# Altium PCB CoinCraftA1.PcbDoc (part 6 of 7)
Units mm, origin at the board's own origin, x right, y up, seen from the top; angles counter-clockwise.
Board outline 90.25 x 131.5 mm, 4 copper layers (Top Layer, Mid-Top Layer, Mid-Bottom Layer, Bottom Layer); 807 components, 132 nets, 2141 pads, 3703 vias.
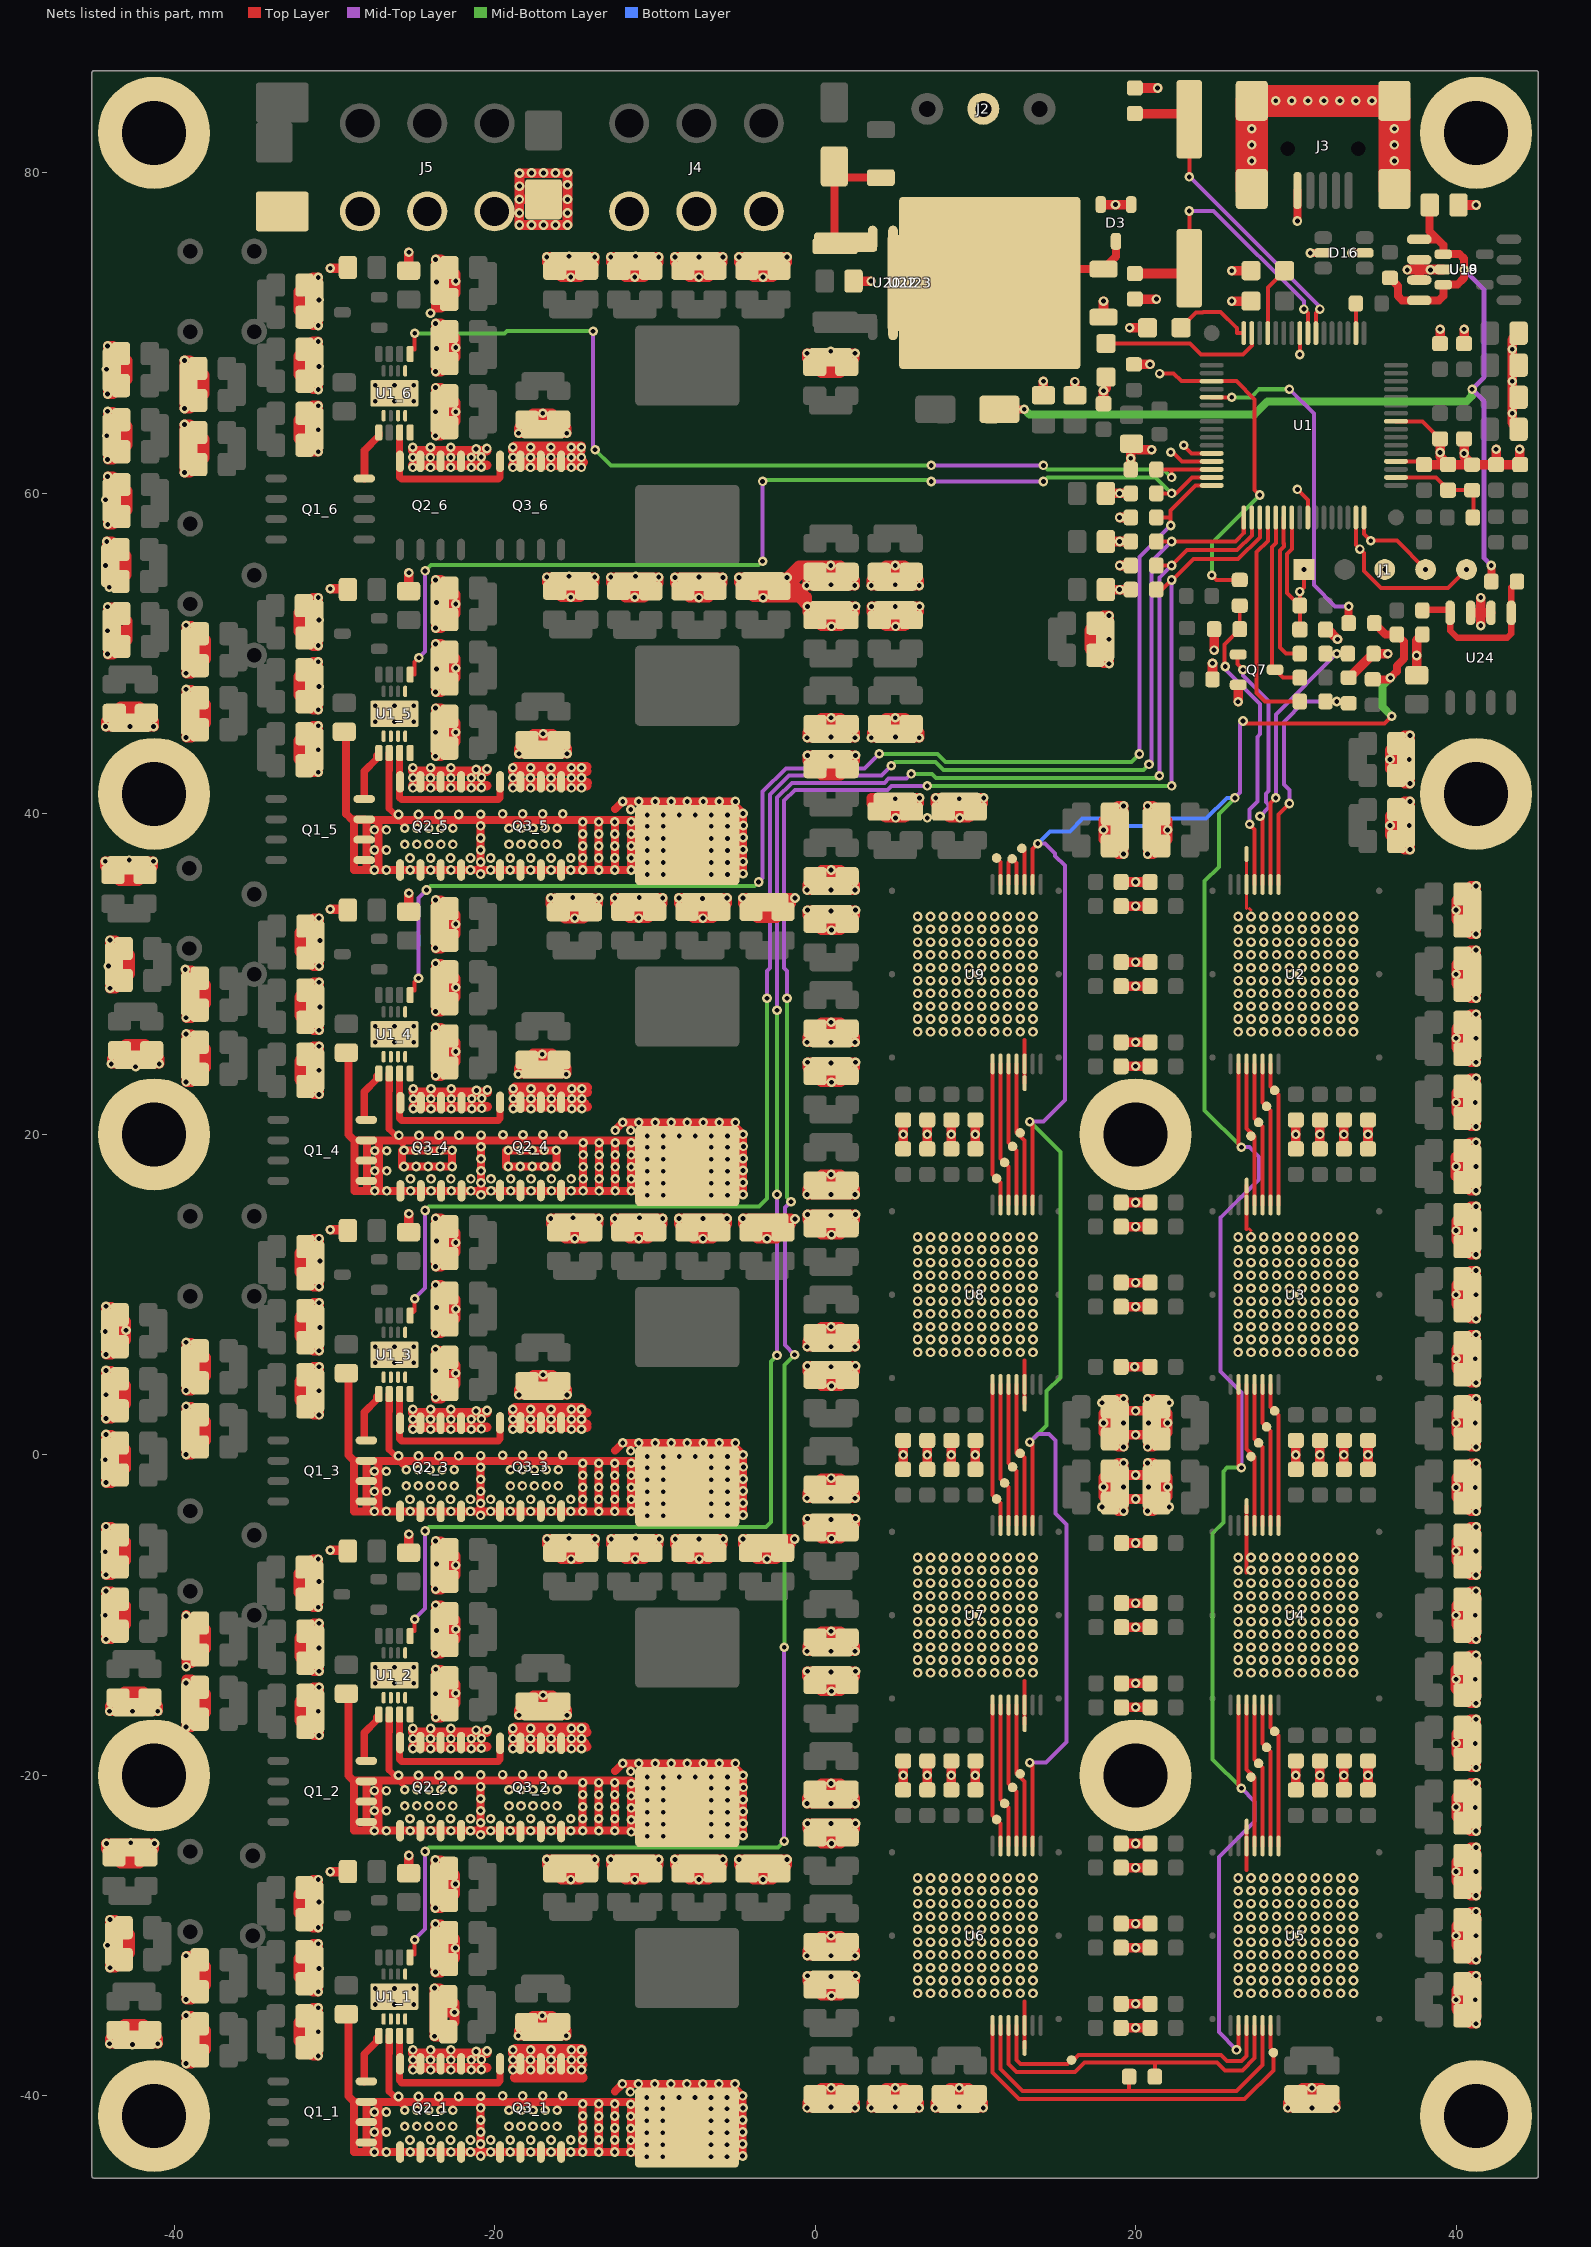
[diagram p8: the nets of this part, all layers, seen from the top]

## Via types
v1: diameter 0.6, hole 0.3, Top Layer to Bottom Layer, tented both sides, 3703 vias

## Nets (pads, with @x,y where several pads share a name; then routed paths per layer and width w, separated by ;. In a path a pad name is that pad's centre, name@x,y a point inside that pad or via, vN(x,y) a via of type N, cw(c..) or ccw(c..) an arc to the next point about the centre after c; other vN are vias at no path point) (continued)
GND: (continued)
  other v1: 31,-40.75 32.5,-40.75 1,-40.7 5,-40.7 8.999,-40.675 -25.1,-38.375 -23.995,-38.375 -22.725,-38.375 -21.45,-38.375 -18.855,-38.375 -17.75,-38.375 -16.48,-38.375 -15.205,-38.375 -14.575,-38.375 -20.825,-38.35 -39.25,-37.975 -25.1,-37.75 -24,-37.75 -22.725,-37.75 -21.45,-37.75 -18.855,-37.75 -17.755,-37.75 -16.48,-37.75 -15.205,-37.75 -14.575,-37.75 -20.825,-37.725 -21.15,-37.225 -20.475,-37.2 -25.1,-37.125 -23.995,-37.125 -22.725,-37.125 -18.855,-37.125 -17.75,-37.125 -16.48,-37.125 -15.205,-37.125 -14.575,-37.125 -42.6,-36.8 -44.025,-36.75 -41.025,-36.75 -23.75,-36.275 -18.525,-36.25 -15.525,-36.25 -31,-36 -17.025,-35 -39.25,-34.975 -22.5,-34.775 -27.45,-34.3 -26.25,-34.3 -25.05,-34.3 41.2,-34 -39.25,-33.975 1.025,-33.75 6.4,-33.6 7.2,-33.6 8,-33.6 8.8,-33.6 9.6,-33.6 10.4,-33.6 11.2,-33.6 12,-33.6 12.8,-33.6 13.6,-33.6 26.4,-33.6 27.2,-33.6 28,-33.6 28.8,-33.6 29.6,-33.6 30.4,-33.6 31.2,-33.6 32,-33.6 32.8,-33.6 33.6,-33.6 -27.45,-33.3 -26.25,-33.3 -25.05,-33.3 -23.75,-33.275 6.4,-32.8 7.2,-32.8 8,-32.8 8.8,-32.8 9.6,-32.8 10.4,-32.8 11.2,-32.8 12,-32.8 12.8,-32.8 13.6,-32.8 26.4,-32.8 27.2,-32.8 28,-32.8 28.8,-32.8 29.6,-32.8 30.4,-32.8 31.2,-32.8 32,-32.8 32.8,-32.8 33.6,-32.8 1,-32.55 -0.475,-32.5 2.525,-32.5 -23.694,-32.275 -30.95,-32.05 6.4,-32 7.2,-32 8,-32 8.8,-32 9.6,-32 10.4,-32 11.2,-32 12,-32 12.8,-32 13.6,-32 26.4,-32 27.2,-32 28,-32 28.8,-32 29.6,-32 30.4,-32 31.2,-32 32,-32 32.8,-32 33.6,-32 1,-31.25 6.4,-31.2 7.2,-31.2 8,-31.2 8.8,-31.2 9.6,-31.2 10.4,-31.2 11.2,-31.2 12,-31.2 12.8,-31.2 13.6,-31.2 26.4,-31.2 27.2,-31.2 28,-31.2 28.8,-31.2 29.6,-31.2 30.4,-31.2 31.2,-31.2 32,-31.2 32.8,-31.2 33.6,-31.2 -22.444,-30.775 -44.15,-30.6 6.4,-30.4 7.2,-30.4 8,-30.4 8.8,-30.4 9.6,-30.4 10.4,-30.4 11.2,-30.4 12,-30.4 12.8,-30.4 13.6,-30.4 26.4,-30.4 27.2,-30.4 28,-30.4 28.8,-30.4 29.6,-30.4 30.4,-30.4 31.2,-30.4 32,-30.4 32.8,-30.4 33.6,-30.4 41.25,-30 6.4,-29.6 7.2,-29.6 8,-29.6 8.8,-29.6 9.6,-29.6 10.4,-29.6 11.2,-29.6 12,-29.6 12.8,-29.6 13.6,-29.6 26.4,-29.6 27.2,-29.6 28,-29.6 28.8,-29.6 29.6,-29.6 30.4,-29.6 31.2,-29.6 32,-29.6 32.8,-29.6 33.6,-29.6 -23.694,-29.275 6.4,-28.8 7.2,-28.8 8,-28.8 8.8,-28.8 9.6,-28.8 10.4,-28.8 11.2,-28.8 12,-28.8 12.8,-28.8 13.6,-28.8 26.4,-28.8 27.2,-28.8 28,-28.8 28.8,-28.8 29.6,-28.8 30.4,-28.8 31.2,-28.8 32,-28.8 32.8,-28.8 33.6,-28.8 -23.694,-28.275 6.4,-28 7.2,-28 8,-28 8.8,-28 9.6,-28 10.4,-28 11.2,-28 12,-28 12.8,-28 13.6,-28 26.4,-28 27.2,-28 28,-28 28.8,-28 29.6,-28 30.4,-28 31.2,-28 32,-28 32.8,-28 33.6,-28 -30.95,-27.9 6.4,-27.2 7.2,-27.2 8,-27.2 8.8,-27.2 9.6,-27.2 10.4,-27.2 11.2,-27.2 12,-27.2 12.8,-27.2 13.6,-27.2 26.4,-27.2 27.2,-27.2 28,-27.2 28.8,-27.2 29.6,-27.2 30.4,-27.2 31.2,-27.2 32,-27.2 32.8,-27.2 33.6,-27.2 -22.444,-26.775 6.4,-26.4 7.2,-26.4 8,-26.4 8.8,-26.4 9.6,-26.4 10.4,-26.4 11.2,-26.4 12,-26.4 12.8,-26.4 13.6,-26.4 26.4,-26.4 27.2,-26.4 28,-26.4 28.8,-26.4 29.6,-26.4 30.4,-26.4 31.2,-26.4 32,-26.4 32.8,-26.4 33.6,-26.4 41.25,-26 -23.694,-25.275 -44.225,-24.25 -41.225,-24.25 1.024,-24.25 -42.7,-24.2 -0.476,-23 1.001,-23 2.524,-23 41.2,-22 0.999,-21.75 10,-20 -25.1,-18.325 -23.995,-18.325 -22.725,-18.325 -21.45,-18.325 -18.855,-18.325 -17.75,-18.325 -16.48,-18.325 -15.205,-18.325 -14.575,-18.325 -20.825,-18.3 41.2,-18 -25.1,-17.7 -24,-17.7 -22.725,-17.7 -21.45,-17.7 -18.855,-17.7 -17.755,-17.7 -16.48,-17.7 -15.205,-17.7 -14.575,-17.7 -20.825,-17.675 -21.15,-17.175 -20.475,-17.15 -25.1,-17.075 -23.995,-17.075 -22.725,-17.075 -18.855,-17.075 -17.75,-17.075 -16.48,-17.075 -15.205,-17.075 -14.575,-17.075 -39.25,-16.975 -23.675,-16.375 -18.475,-16.25 -44.025,-16 -42.6,-16 -41.025,-16 -31,-16 41.25,-15.5 -16.975,-15 -23.679,-14.901 -22.425,-14.875 1.024,-14.75 -27.45,-14.25 -26.25,-14.25 -25.05,-14.25 -39.25,-14.225 40,-14 41.2,-14 6.4,-13.6 7.2,-13.6 8,-13.6 8.8,-13.6 9.6,-13.6 10.4,-13.6 11.2,-13.6 12,-13.6 12.8,-13.6 13.6,-13.6 26.4,-13.6 27.2,-13.6 28,-13.6 28.8,-13.6 29.6,-13.6 30.4,-13.6 31.2,-13.6 32,-13.6 32.8,-13.6 33.6,-13.6 0.999,-13.55 -0.476,-13.5 2.524,-13.5 -23.675,-13.375 -27.45,-13.25 -26.25,-13.25 -25.05,-13.25 -39.25,-13.212 6.4,-12.8 7.2,-12.8 8,-12.8 8.8,-12.8 9.6,-12.8 10.4,-12.8 11.2,-12.8 12,-12.8 12.8,-12.8 13.6,-12.8 26.4,-12.8 27.2,-12.8 28,-12.8 28.8,-12.8 29.6,-12.8 30.4,-12.8 31.2,-12.8 32,-12.8 32.8,-12.8 33.6,-12.8 41.25,-12.5 -23.678,-12.375 1,-12.25 -30.95,-12.05 6.4,-12 7.2,-12 8,-12 8.8,-12 9.6,-12 10.4,-12 11.2,-12 12,-12 12.8,-12 13.6,-12 26.4,-12 27.2,-12 28,-12 28.8,-12 29.6,-12 30.4,-12 31.2,-12 32,-12 32.8,-12 33.6,-12 6.4,-11.2 7.2,-11.2 8,-11.2 8.8,-11.2 9.6,-11.2 10.4,-11.2 11.2,-11.2 12,-11.2 12.8,-11.2 13.6,-11.2 26.4,-11.2 27.2,-11.2 28,-11.2 28.8,-11.2 29.6,-11.2 30.4,-11.2 31.2,-11.2 32,-11.2 32.8,-11.2 33.6,-11.2 -23.628,-10.95 -22.428,-10.875 6.4,-10.4 7.2,-10.4 8,-10.4 8.8,-10.4 9.6,-10.4 10.4,-10.4 11.2,-10.4 12,-10.4 12.8,-10.4 13.6,-10.4 26.4,-10.4 27.2,-10.4 28,-10.4 28.8,-10.4 29.6,-10.4 30.4,-10.4 31.2,-10.4 32,-10.4 32.8,-10.4 33.6,-10.4 -39.25,-10.05 -44.3,-10 41.2,-10 6.4,-9.6 7.2,-9.6 8,-9.6 8.8,-9.6 9.6,-9.6 10.4,-9.6 11.2,-9.6 12,-9.6 12.8,-9.6 13.6,-9.6 26.4,-9.6 27.2,-9.6 28,-9.6 28.8,-9.6 29.6,-9.6 30.4,-9.6 31.2,-9.6 32,-9.6 32.8,-9.6 33.6,-9.6 -23.678,-9.375 6.4,-8.8 7.2,-8.8 8,-8.8 8.8,-8.8 9.6,-8.8 10.4,-8.8 11.2,-8.8 12,-8.8 12.8,-8.8 13.6,-8.8 26.4,-8.8 27.2,-8.8 28,-8.8 28.8,-8.8 29.6,-8.8 30.4,-8.8 31.2,-8.8 32,-8.8 32.8,-8.8 33.6,-8.8 -23.679,-8.375 6.4,-8 7.2,-8 8,-8 8.8,-8 9.6,-8 10.4,-8 11.2,-8 12,-8 12.8,-8 13.6,-8 26.4,-8 27.2,-8 28,-8 28.8,-8 29.6,-8 30.4,-8 31.2,-8 32,-8 32.8,-8 33.6,-8 -30.95,-7.9 -44.25,-7.475 6.4,-7.2 7.2,-7.2 8,-7.2 8.8,-7.2 9.6,-7.2 10.4,-7.2 11.2,-7.2 12,-7.2 12.8,-7.2 13.6,-7.2 26.4,-7.2 27.2,-7.2 28,-7.2 28.8,-7.2 29.6,-7.2 30.4,-7.2 31.2,-7.2 32,-7.2 32.8,-7.2 33.6,-7.2 -22.429,-6.875 -23.628,-6.801 -15.225,-6.5 -11.225,-6.5 -7.225,-6.5 -3,-6.5 6.4,-6.4 7.2,-6.4 8,-6.4 8.8,-6.4 9.6,-6.4 10.4,-6.4 11.2,-6.4 12,-6.4 12.8,-6.4 13.6,-6.4 26.4,-6.4 27.2,-6.4 28,-6.4 28.8,-6.4 29.6,-6.4 30.4,-6.4 31.2,-6.4 32,-6.4 32.8,-6.4 33.6,-6.4 -44.3,-6.038 41.25,-6 -23.679,-5.375 -16.725,-5.25 -13.725,-5.25 -12.725,-5.25 -9.725,-5.25 -8.725,-5.25 -7.25,-5.25 -5.725,-5.25 -4.5,-5.25 -1.275,-5.25 1.025,-5.225 -15.35,-5.2 -11.2,-5.2 -44.25,-4.475 1,-4.025 -0.475,-3.975 2.525,-3.975 17.9,-3.25 22.1,-3.25 1,-2.7 41.2,-2.025 19.25,-2 20.8,-2 -44.25,-1.725 -44.3,-0.3 10,0 30,0 -39.25,0.025 -44.25,1.275 -25.1,1.6 -23.995,1.6 -22.725,1.6 -21.45,1.6 -18.855,1.6 -17.75,1.6 -16.48,1.6 -15.205,1.6 -14.575,1.6 -20.825,1.625 19.25,2 20.8,2 41.2,2 -25.1,2.225 -24,2.225 -22.725,2.225 -21.45,2.225 -20.825,2.25 -18.855,2.225 -17.755,2.225 -16.48,2.225 -15.205,2.225 -14.575,2.225 -44.25,2.275 -21.15,2.75 -20.475,2.775 -25.1,2.85 -23.995,2.85 -22.725,2.85 -18.855,2.85 -17.75,2.85 -16.48,2.85 -15.205,2.85 -14.575,2.85 -39.25,3.025 17.9,3.25 22.1,3.25 -23.679,3.6 -44.25,3.75 -30.95,4 -39.25,4.025 1.025,4.3 -22.429,5.1 -23.679,5.25 -44.25,5.275 1,5.5 -0.475,5.55 2.525,5.55 -27.45,5.75 -26.25,5.75 -25.05,5.75 41.2,6 -44.25,6.275 6.4,6.4 7.2,6.4 8,6.4 8.8,6.4 9.6,6.4 10.4,6.4 11.2,6.4 12,6.4 12.8,6.4 13.6,6.4 26.4,6.4 27.2,6.4 28,6.4 28.8,6.4 29.6,6.4 30.4,6.4 31.2,6.4 32,6.4 32.8,6.4 33.6,6.4 -23.679,6.6 -27.45,6.75 -26.25,6.75 -25.05,6.75 1,6.75 -39.25,7.025 6.4,7.2 7.2,7.2 8,7.2 8.8,7.2 9.6,7.2 10.4,7.2 11.2,7.2 12,7.2 12.8,7.2 13.6,7.2 26.4,7.2 27.2,7.2 28,7.2 28.8,7.2 29.6,7.2 30.4,7.2 31.2,7.2 32,7.2 32.8,7.2 33.6,7.2 -44.3,7.7 -43,7.775 -30.9,7.95 6.4,8 7.2,8 8,8 8.8,8 9.6,8 10.4,8 11.2,8 12,8 12.8,8 13.6,8 26.4,8 27.2,8 28,8 28.8,8 29.6,8 30.4,8 31.2,8 32,8 32.8,8 33.6,8 6.4,8.8 7.2,8.8 8,8.8 8.8,8.8 9.6,8.8 10.4,8.8 11.2,8.8 12,8.8 12.8,8.8 13.6,8.8 26.4,8.8 27.2,8.8 28,8.8 28.8,8.8 29.6,8.8 30.4,8.8 31.2,8.8 32,8.8 32.8,8.8 33.6,8.8 -23.628,9.2 -44.25,9.275 6.4,9.6 7.2,9.6 8,9.6 8.8,9.6 9.6,9.6 10.4,9.6 11.2,9.6 12,9.6 12.8,9.6 13.6,9.6 26.4,9.6 27.2,9.6 28,9.6 28.8,9.6 29.6,9.6 30.4,9.6 31.2,9.6 32,9.6 32.8,9.6 33.6,9.6 41.25,10 6.4,10.4 7.2,10.4 8,10.4 8.8,10.4 9.6,10.4 10.4,10.4 11.2,10.4 12,10.4 12.8,10.4 13.6,10.4 26.4,10.4 27.2,10.4 28,10.4 28.8,10.4 29.6,10.4 30.4,10.4 31.2,10.4 32,10.4 32.8,10.4 33.6,10.4 6.4,11.2 7.2,11.2 8,11.2 8.8,11.2 9.6,11.2 10.4,11.2 11.2,11.2 12,11.2 12.8,11.2 13.6,11.2 26.4,11.2 27.2,11.2 28,11.2 28.8,11.2 29.6,11.2 30.4,11.2 31.2,11.2 32,11.2 32.8,11.2 33.6,11.2 6.4,12 7.2,12 8,12 8.8,12 9.6,12 10.4,12 11.2,12 12,12 12.8,12 13.6,12 26.4,12 27.2,12 28,12 28.8,12 29.6,12 30.4,12 31.2,12 32,12 32.8,12 33.6,12 -30.9,12.1 6.4,12.8 7.2,12.8 8,12.8 8.8,12.8 9.6,12.8 10.4,12.8 11.2,12.8 12,12.8 12.8,12.8 13.6,12.8 26.4,12.8 27.2,12.8 28,12.8 28.8,12.8 29.6,12.8 30.4,12.8 31.2,12.8 32,12.8 32.8,12.8 33.6,12.8 -23.628,13.35 6.4,13.6 7.2,13.6 8,13.6 8.8,13.6 9.6,13.6 10.4,13.6 11.2,13.6 12,13.6 12.8,13.6 13.6,13.6 26.4,13.6 27.2,13.6 28,13.6 28.8,13.6 29.6,13.6 30.4,13.6 31.2,13.6 32,13.6 32.8,13.6 33.6,13.6 1.025,13.75 41.2,14.05 -1.25,14.725 -7,14.75 -15.1,14.8 -10.95,14.8 1,14.95 -0.475,15 2.525,15 1,16.25 41.25,16.5 40,18 41.25,18 41.25,19.5 10,20 30,20 -25.075,21.6 -23.97,21.6 -22.7,21.6 -21.425,21.6 -18.83,21.6 -17.725,21.6 -16.455,21.6 -15.18,21.6 -14.55,21.6 -20.8,21.625 41.2,22 -25.075,22.225 -23.975,22.225 -22.7,22.225 -21.425,22.225 -18.83,22.225 -17.73,22.225 -16.455,22.225 -15.18,22.225 -14.55,22.225 -20.8,22.25 -21.125,22.75 -20.45,22.775 -25.075,22.85 -23.97,22.85 -22.7,22.85 -18.83,22.85 -17.725,22.85 -16.455,22.85 -15.18,22.85 -14.55,22.85 1.025,23.25 -39.25,23.275 -23.679,23.673 -18.525,23.75 -15.525,23.75 -30.95,24 -42.4,24.225 -43.925,24.4 -40.925,24.4 1,24.45 -0.475,24.5 2.525,24.5 -17.025,25 -22.429,25.173 -27.45,25.75 -26.25,25.75 -25.05,25.75 1,25.75 41.25,26 -39.25,26.275 6.4,26.4 7.2,26.4 8,26.4 8.8,26.4 9.6,26.4 10.4,26.4 11.2,26.4 12,26.4 12.8,26.4 13.6,26.4 26.4,26.4 27.2,26.4 28,26.4 28.8,26.4 29.6,26.4 30.4,26.4 31.2,26.4 32,26.4 32.8,26.4 33.6,26.4 -23.679,26.673 -27.45,26.75 -26.25,26.75 -25.05,26.75 6.4,27.2 7.2,27.2 8,27.2 8.8,27.2 9.6,27.2 10.4,27.2 11.2,27.2 12,27.2 12.8,27.2 13.6,27.2 26.4,27.2 27.2,27.2 28,27.2 28.8,27.2 29.6,27.2 30.4,27.2 31.2,27.2 32,27.2 32.8,27.2 33.6,27.2 -39.25,27.275 -23.679,27.675 -30.9,27.95 6.4,28 7.2,28 8,28 8.8,28 9.6,28 10.4,28 11.2,28 12,28 12.8,28 13.6,28 26.4,28 27.2,28 28,28 28.8,28 29.6,28 30.4,28 31.2,28 32,28 32.8,28 33.6,28 6.4,28.8 7.2,28.8 8,28.8 8.8,28.8 9.6,28.8 10.4,28.8 11.2,28.8 12,28.8 12.8,28.8 13.6,28.8 26.4,28.8 27.2,28.8 28,28.8 28.8,28.8 29.6,28.8 30.4,28.8 31.2,28.8 32,28.8 32.8,28.8 33.6,28.8 -44,29.125 -22.429,29.175 6.4,29.6 7.2,29.6 8,29.6 8.8,29.6 9.6,29.6 10.4,29.6 11.2,29.6 12,29.6 12.8,29.6 13.6,29.6 26.4,29.6 27.2,29.6 28,29.6 28.8,29.6 29.6,29.6 30.4,29.6 31.2,29.6 32,29.6 32.8,29.6 33.6,29.6 -39.3,30.3 6.4,30.4 7.2,30.4 8,30.4 8.8,30.4 9.6,30.4 10.4,30.4 11.2,30.4 12,30.4 12.8,30.4 13.6,30.4 26.4,30.4 27.2,30.4 28,30.4 28.8,30.4 29.6,30.4 30.4,30.4 31.2,30.4 32,30.4 32.8,30.4 33.6,30.4 -44.1,30.5 -23.679,30.675 6.4,31.2 7.2,31.2 8,31.2 8.8,31.2 9.6,31.2 10.4,31.2 11.2,31.2 12,31.2 12.8,31.2 13.6,31.2 26.4,31.2 27.2,31.2 28,31.2 28.8,31.2 29.6,31.2 30.4,31.2 31.2,31.2 32,31.2 32.8,31.2 33.6,31.2 -23.679,31.625 6.4,32 7.2,32 8,32 8.8,32 9.6,32 10.4,32 11.2,32 12,32 12.8,32 13.6,32 26.4,32 27.2,32 28,32 28.8,32 29.6,32 30.4,32 31.2,32 32,32 32.8,32 33.6,32 -30.9,32.1 -44,32.125 1.025,32.75 6.4,32.8 7.2,32.8 8,32.8 8.8,32.8 9.6,32.8 10.4,32.8 11.2,32.8 12,32.8 12.8,32.8 13.6,32.8 26.4,32.8 27.2,32.8 28,32.8 28.8,32.8 29.6,32.8 30.4,32.8 31.2,32.8 32,32.8 32.8,32.8 33.6,32.8 -22.429,33.125 -15,33.5 6.4,33.6 7.2,33.6 8,33.6 8.8,33.6 9.6,33.6 10.4,33.6 11.2,33.6 12,33.6 12.8,33.6 13.6,33.6 26.4,33.6 27.2,33.6 28,33.6 28.8,33.6 29.6,33.6 30.4,33.6 31.2,33.6 32,33.6 32.8,33.6 33.6,33.6 1,33.95 -0.475,34 2.525,34 -23.679,34.625 -7.025,34.725 -16.5,34.75 -13.5,34.75 -1.25,34.75 -15.125,34.775 -10.975,34.775 1,35.25 -44.29,37.05 -41.29,37.05 -42.8,37.12 37.076,39.275 5.025,39.75 7,39.75 9.026,39.75 5,40.95 9.001,40.95 6.525,41 7.526,41 10.526,41 -25.1,41.625 -23.995,41.625 -22.725,41.625 -21.45,41.625 -18.855,41.625 -17.75,41.625 -16.48,41.625 -15.205,41.625 -14.575,41.625 -20.825,41.65 -25.1,42.25 -24,42.25 -22.725,42.25 -21.45,42.25 -18.855,42.25 -17.755,42.25 -16.48,42.25 -15.205,42.25 -14.575,42.25 -20.825,42.275 -21.15,42.775 -20.475,42.8 -25.1,42.875 -23.995,42.875 -22.725,42.875 -18.855,42.875 -17.75,42.875 -16.48,42.875 -15.205,42.875 -14.575,42.875 37.078,43.4 1,43.6 -0.475,43.65 2.525,43.65 -31,44 3.5,44.75 6.5,44.75 -39.25,44.775 1,44.8 5.025,44.8 -23.679,45.099 -44.275,45.45 -42.75,45.45 -41.275,45.45 -27.45,45.75 -26.25,45.75 -25.05,45.75 5,46 -27.45,46.75 -26.25,46.75 -25.05,46.75 -39.25,47.775 -30.95,47.95 -39.25,48.775 -23.628,49.05 18.35,49.375 -44.15,49.975 -31,50.5 18.35,50.9 -44.15,51.425 1.025,51.7 5.025,51.7 41.538,51.75 -39.25,51.775 -30.95,52.1 18.35,52.375 -44.15,52.925 -0.475,52.95 2.525,52.95 3.525,52.95 5,52.95 6.525,52.95 -23.628,53.199 -31,53.5 -11.25,53.525 -44.05,54.15 2.475,54.25 1,54.3 5,54.3 -4.75,54.75 -1.75,54.75 -12.75,54.775 -9.75,54.775 -7.25,54.775 -15.35,54.825 -11.2,54.825 35.55,55.25 -44.275,55.5 -44.137,58.067 -44.275,59.6 -25.105,61.625 -24,61.625 -22.73,61.625 -21.455,61.625 -18.86,61.625 -17.755,61.625 -16.485,61.625 -15.21,61.625 -14.58,61.625 -20.83,61.65 -44.15,62.125 -25.105,62.25 -24.005,62.25 -22.73,62.25 -21.455,62.25 -18.86,62.25 -17.76,62.25 -16.485,62.25 -15.21,62.25 -14.58,62.25 -20.83,62.275 -21.155,62.775 -20.48,62.8 -25.105,62.875 -24,62.875 -22.73,62.875 -18.86,62.875 -17.755,62.875 -16.485,62.875 -15.21,62.875 -14.58,62.875 -44.2,63.6 -31,63.975 -23.679,65.099 -44.15,65.125 -31,65.475 -27.45,65.75 -26.25,65.75 -25.05,65.75 -31,66.475 -27.45,66.75 -26.25,66.75 -25.05,66.75 -44.225,67.75 -30.95,67.925 -0.5,68.75 2.5,68.75 0.975,68.875 -23.628,69.05 -31,69.475 -31,70.475 -24,71.25 -30.95,72.075 -23.628,73.199 -22.429,73.25 -31,73.475 38.4,73.95 -7.25,74.75 -15.35,74.8 -11.2,74.8 33.5,75 -17.699,76.75 -16.949,76.75 -16.199,76.75 -18.449,77.5 -15.449,77.5 -15.449,78.35 -18.448,79.175 -15.449,79.25 -17.699,80 -16.949,80 -16.199,80 -15.449,80 27.25,80.75 36.15,80.75 27.25,81.75 36.15,81.75 27.25,82.75 36.15,82.75 28.75,84.5 29.75,84.5 30.75,84.5 31.75,84.5 32.75,84.5 33.75,84.5 34.75,84.5
GREEN: D5.2 U1.47 | length 10.4
  Top Layer w0.25: D5.2@18.155,69.358 23.392,69.358 24.084,68.666 26.688,68.666 27.25,69.228 U1.47@27.25,70
HO1: Q1_1.4 U1_1.1 | length 3
  Top Layer w0.45: Q1_1.4@-28.132,-39.12 -28.132,-37.382 -27.375,-36.625 U1_1.1@-27.375,-36.4
HO2: Q1_2.4 U1_2.1 | length 3
  Top Layer w0.45: Q1_2.4@-28.132,-19.07 -28.132,-17.332 -27.375,-16.575 U1_2.1@-27.375,-16.35
HO3: Q1_3.4 U1_3.1 | length 3
  Top Layer w0.45: Q1_3.4@-28.132,0.93 -28.132,2.668 -27.375,3.425 U1_3.1@-27.375,3.65
HO4: Q1_4.4 U1_4.1 | length 3
  Top Layer w0.45: Q1_4.4@-28.132,20.93 -28.132,22.668 -27.375,23.425 U1_4.1@-27.375,23.65
HO5: Q1_5.4 U1_5.1 | length 3
  Top Layer w0.45: Q1_5.4@-28.132,40.93 -28.132,42.668 -27.375,43.425 U1_5.1@-27.375,43.65
HO6: Q1_6.4 U1_6.1 | length 3.2
  Top Layer w0.45: -28.132,62.668 -27.225,63.575 U1_6.1@-27.225,63.8
  Top Layer w0.5: Q1_6.4@-28.132,60.93 -28.132,62.668
LDO3.3V-5.0V: R12.2 R13.1 U24.5 U24.8 | length 10.6
  Top Layer w0.4: R12.2@37.75,52.75 39.433,52.75 U24.8@39.633,52.55 39.633,51.438 40.071,51 43.196,51 43.443,51.248 U24.5@43.443,52.55 43.443,54.143 R13.1@43.8,54.5
LDO5.0V: C187.1 D11.2 D12.1 R2.1 R13.2 R47.2 U18.1 U18.3 U19.5 U19.8 | length 65.8
  Top Layer w0.5: R47.2@11,65.25 D12.1@11.5,65.25 v1(13.05,65.25) ; R2.1@35.867,73.45 36.367,72.95 36.367,72.315 36.637,72.045 U19.8@37.7,72.045 38.92,72.045 39.2,72.325 U18.3@39.2,73.025 40.075,73.025 40.5,73.45 v1(40.5,73.95) 40.5,74.65 40.225,74.925 U18.1@39.2,74.925 39.2,75.496 38.841,75.855 ; U19.5@37.7,75.855 38.841,75.855 ; C187.1@38.35,78 38.35,76.346 38.841,75.855 ; R13.2@42.2,54.5 v1(42.2,55.5)
  Mid-Top Layer w0.3: v1(40.5,73.95) 41.75,72.7 41.75,67.25 v1(41,66.5) 41.748,65.752 41.748,61.96 41.75,61.957 41.75,59.203 41.748,59.201 41.748,55.952 v1(42.2,55.5)
  Mid-Bottom Layer w0.5: v1(13.05,65.25) 13.375,64.925 27.411,64.925 28.236,65.75 40.636,65.75 ; 40.442,65.75 40.661,65.75 41,66.089 v1(41,66.5)
LM12V: D13.1 R21.1 U20.1 U22.8 U23.1 | length 8.2
  Top Layer w0.5: U20.1@1.25,75.425 1.2,75.475 D13.1@1.2,80.4 1.9,79.7 R21.1@4.1,79.7
LMGND: D3.3 R60.2 U20.2 U22.2 U22.3 U22.4 U22.5 U22.6 U22.7 U23.2 | length 9.5
  Top Layer w0.5: U23.2@10.9,73.135 11.765,74 R60.2@18,74 18.775,74.775 D3.3@18.775,75.725
LO1: Q2_1.4 Q3_1.4 U1_1.3 | length 10.2
  Top Layer w0.45: U1_1.3@-25.925,-36.25 -25.925,-39.038 -25.787,-39.175 -19.775,-39.175 -19.655,-39.055 Q3_1.4@-19.655,-38.05
LO2: Q2_2.4 Q3_2.4 U1_2.3 | length 10.2
  Top Layer w0.45: U1_2.3@-25.925,-16.2 -25.925,-18.988 -25.787,-19.125 -19.775,-19.125 -19.655,-19.005 Q3_2.4@-19.655,-18
LO3: Q2_3.4 Q3_3.4 U1_3.3 | length 10.2
  Top Layer w0.45: U1_3.3@-25.925,3.8 -25.925,1.012 -25.787,0.875 -19.775,0.875 -19.655,0.995 Q3_3.4@-19.655,2
LO4: Q2_4.4 Q3_4.4 U1_4.3 | length 10.2
  Top Layer w0.45: U1_4.3@-25.925,23.8 -25.925,21.012 -25.787,20.875 -19.775,20.875 -19.655,20.995 Q2_4.4@-19.655,22
LO5: Q2_5.4 Q3_5.4 U1_5.3 | length 10.1
  Top Layer w0.45: U1_5.3@-25.925,43.8 -25.925,41.012 -25.812,40.9 -19.755,40.9 -19.655,41 Q3_5.4@-19.655,42
LO6: Q2_6.4 Q3_6.4 U1_6.3 | length 10.1
  Top Layer w0.45: U1_6.3@-25.925,63.8 -25.925,61.012 -25.812,60.9 -19.755,60.9 -19.655,61 Q3_6.4@-19.655,62
"MAIN OSC IN": C85.1 U1.39 Y1.1 | length 20.4
  Top Layer w0.25: Y1.1@23,83.7 Y1.1@23.35,83.35 v1(23.35,79.75) ; U1.39@31.25,70 31.25,71.25 v1(31.5,71.5)
  Top Layer w0.6: C85.1@19.95,83.7 Y1.1@23,83.7
  Mid-Top Layer w0.25: v1(23.35,79.75) 23.386,79.75 31.5,71.636 v1(31.5,71.5)
"MAIN OSC OUT": C86.1 U1.40 Y1.2 | length 18.7
  Top Layer w0.25: Y1.2@23.026,73.726 Y1.2@23.35,74.05 v1(23.35,77.625) ; v1(30.5,71.5) 30.75,71.25 U1.40@30.75,70
  Top Layer w0.6: C86.1@19.95,73.726 Y1.2@23.026,73.726
  Mid-Top Layer w0.25: v1(23.35,77.625) 24.875,77.625 30.5,72 v1(30.5,71.5)
MCLR: C72.1 J1.1 R9.1 U1.7 | length 9.8
  Top Layer w0.254: U1.7@29.75,58.5 29.75,56.525 29.452,56.227 29.452,53.798 R9.1@30.25,53 ; C72.1@30.25,51.5 R9.1@30.25,53 ; v1(30.5,55.25) 30.5,54.125 v1(30.25,53.875) R9.1@30.25,53
MCU5.0V: R16.1 U1.34 | length 1.8
  Top Layer w0.25: U1.34@33.75,70 R16.1@33.75,71.85
MCU_CS0: R19.2 U1.51 | length 20.8
  Top Layer w0.25: v1(21.5,67.475) 22.381,67.475 22.856,67 U1.51@24.75,67 26.3,67 27.425,65.875 27.425,60.225 v1(27.75,59.9) ; v1(24.757,54.893) 25.05,54.6 R19.2@26.5,54.6
  Mid-Bottom Layer w0.25: v1(24.757,54.893) 24.757,56.907 v1(27.75,59.9)
MCU_MISO0: Q7.3 R1.1 U1.5 | length 11.4
  Top Layer w0.25: U1.5@28.75,58.5 28.75,56.9 28.5,56.65 28.5,49.2 Q7.3@28.7,49 29.2,48.5 R1.1@30.25,48.5
MCU_MOSI0: R3.2 U1.6 | length 9.6
  Top Layer w0.25: U1.6@29.25,58.5 29.245,58.495 29.245,56.865 29.25,56.861 29.25,56.7 29,56.45 29,50.375 29.375,50 R3.2@30.25,50
MCU_SCK0: R5.2 U1.4 | length 14.2
  Top Layer w0.25: U1.4@28.25,58.5 28.25,57.036 27.55,56.336 27.55,47.55 28.082,47.018 R5.2@30.25,47.018
MEAS12: C325.1 R57.2 R61.2 U1.18 | length 6.7
  Top Layer w0.25: U1.18@36.25,61 38.75,61 39.55,60.2 41.05,60.2 41.1,60.15 R57.2@41.1,58.7
ORANGE: D7.2 U1.45 | length 4.3
  Top Layer w0.25: U1.45@28.25,70 28.25,72.85 D7.2@29.3,73.9
PGC: J1.5 U1.15 | length 10.9
  Top Layer w0.25: U1.15@33.75,58.5 33.75,56.775 v1(34,56.525) 34.25,56.275 34.25,55.171 35.321,54.1 39.5,54.1 v1(40.65,55.25)
PGD: J1.4 U1.16 | length 5.8
  Top Layer w0.25: U1.16@34.25,58.5 34.25,57.475 v1(34.674,57.051) 36.299,57.051 v1(38.1,55.25)
PWM1H: U1.61 | length 2.8
  Top Layer w0.25: v1(22.192,62.575) 22.309,62.575 22.884,62 U1.61@24.75,62
PWM1L: U1.60 | length 2
  Top Layer w0.25: v1(23,63) 23.5,62.5 U1.60@24.75,62.5
PWM2H: R8.1 U1.63 U1_5.5 | length 63
  Top Layer w0.25: -25,48.7 -25,49.472 v1(-24.722,49.75) ; R8.1@21.3,60 v1(22.25,60) 22.517,60 23.517,61 U1.63@24.75,61
  Mid-Top Layer w0.25: v1(-24.722,49.75) -24.336,50.136 v1(-24.336,55.164) ; v1(-3.275,55.766) v1(-3.275,60.75) ; v1(7.25,60.742) v1(14.25,60.742)
  Mid-Bottom Layer w0.25: v1(-24.336,55.164) -23.975,55.525 -3.516,55.525 v1(-3.275,55.766) ; v1(-3.275,60.75) -3.2,60.825 7.167,60.825 v1(7.25,60.742) ; v1(14.25,60.742) 14.508,61 21.25,61 v1(22.25,60)